# Altium PCB AD-FMComms3_revA.PcbDoc (part 5 of 6) (continued)
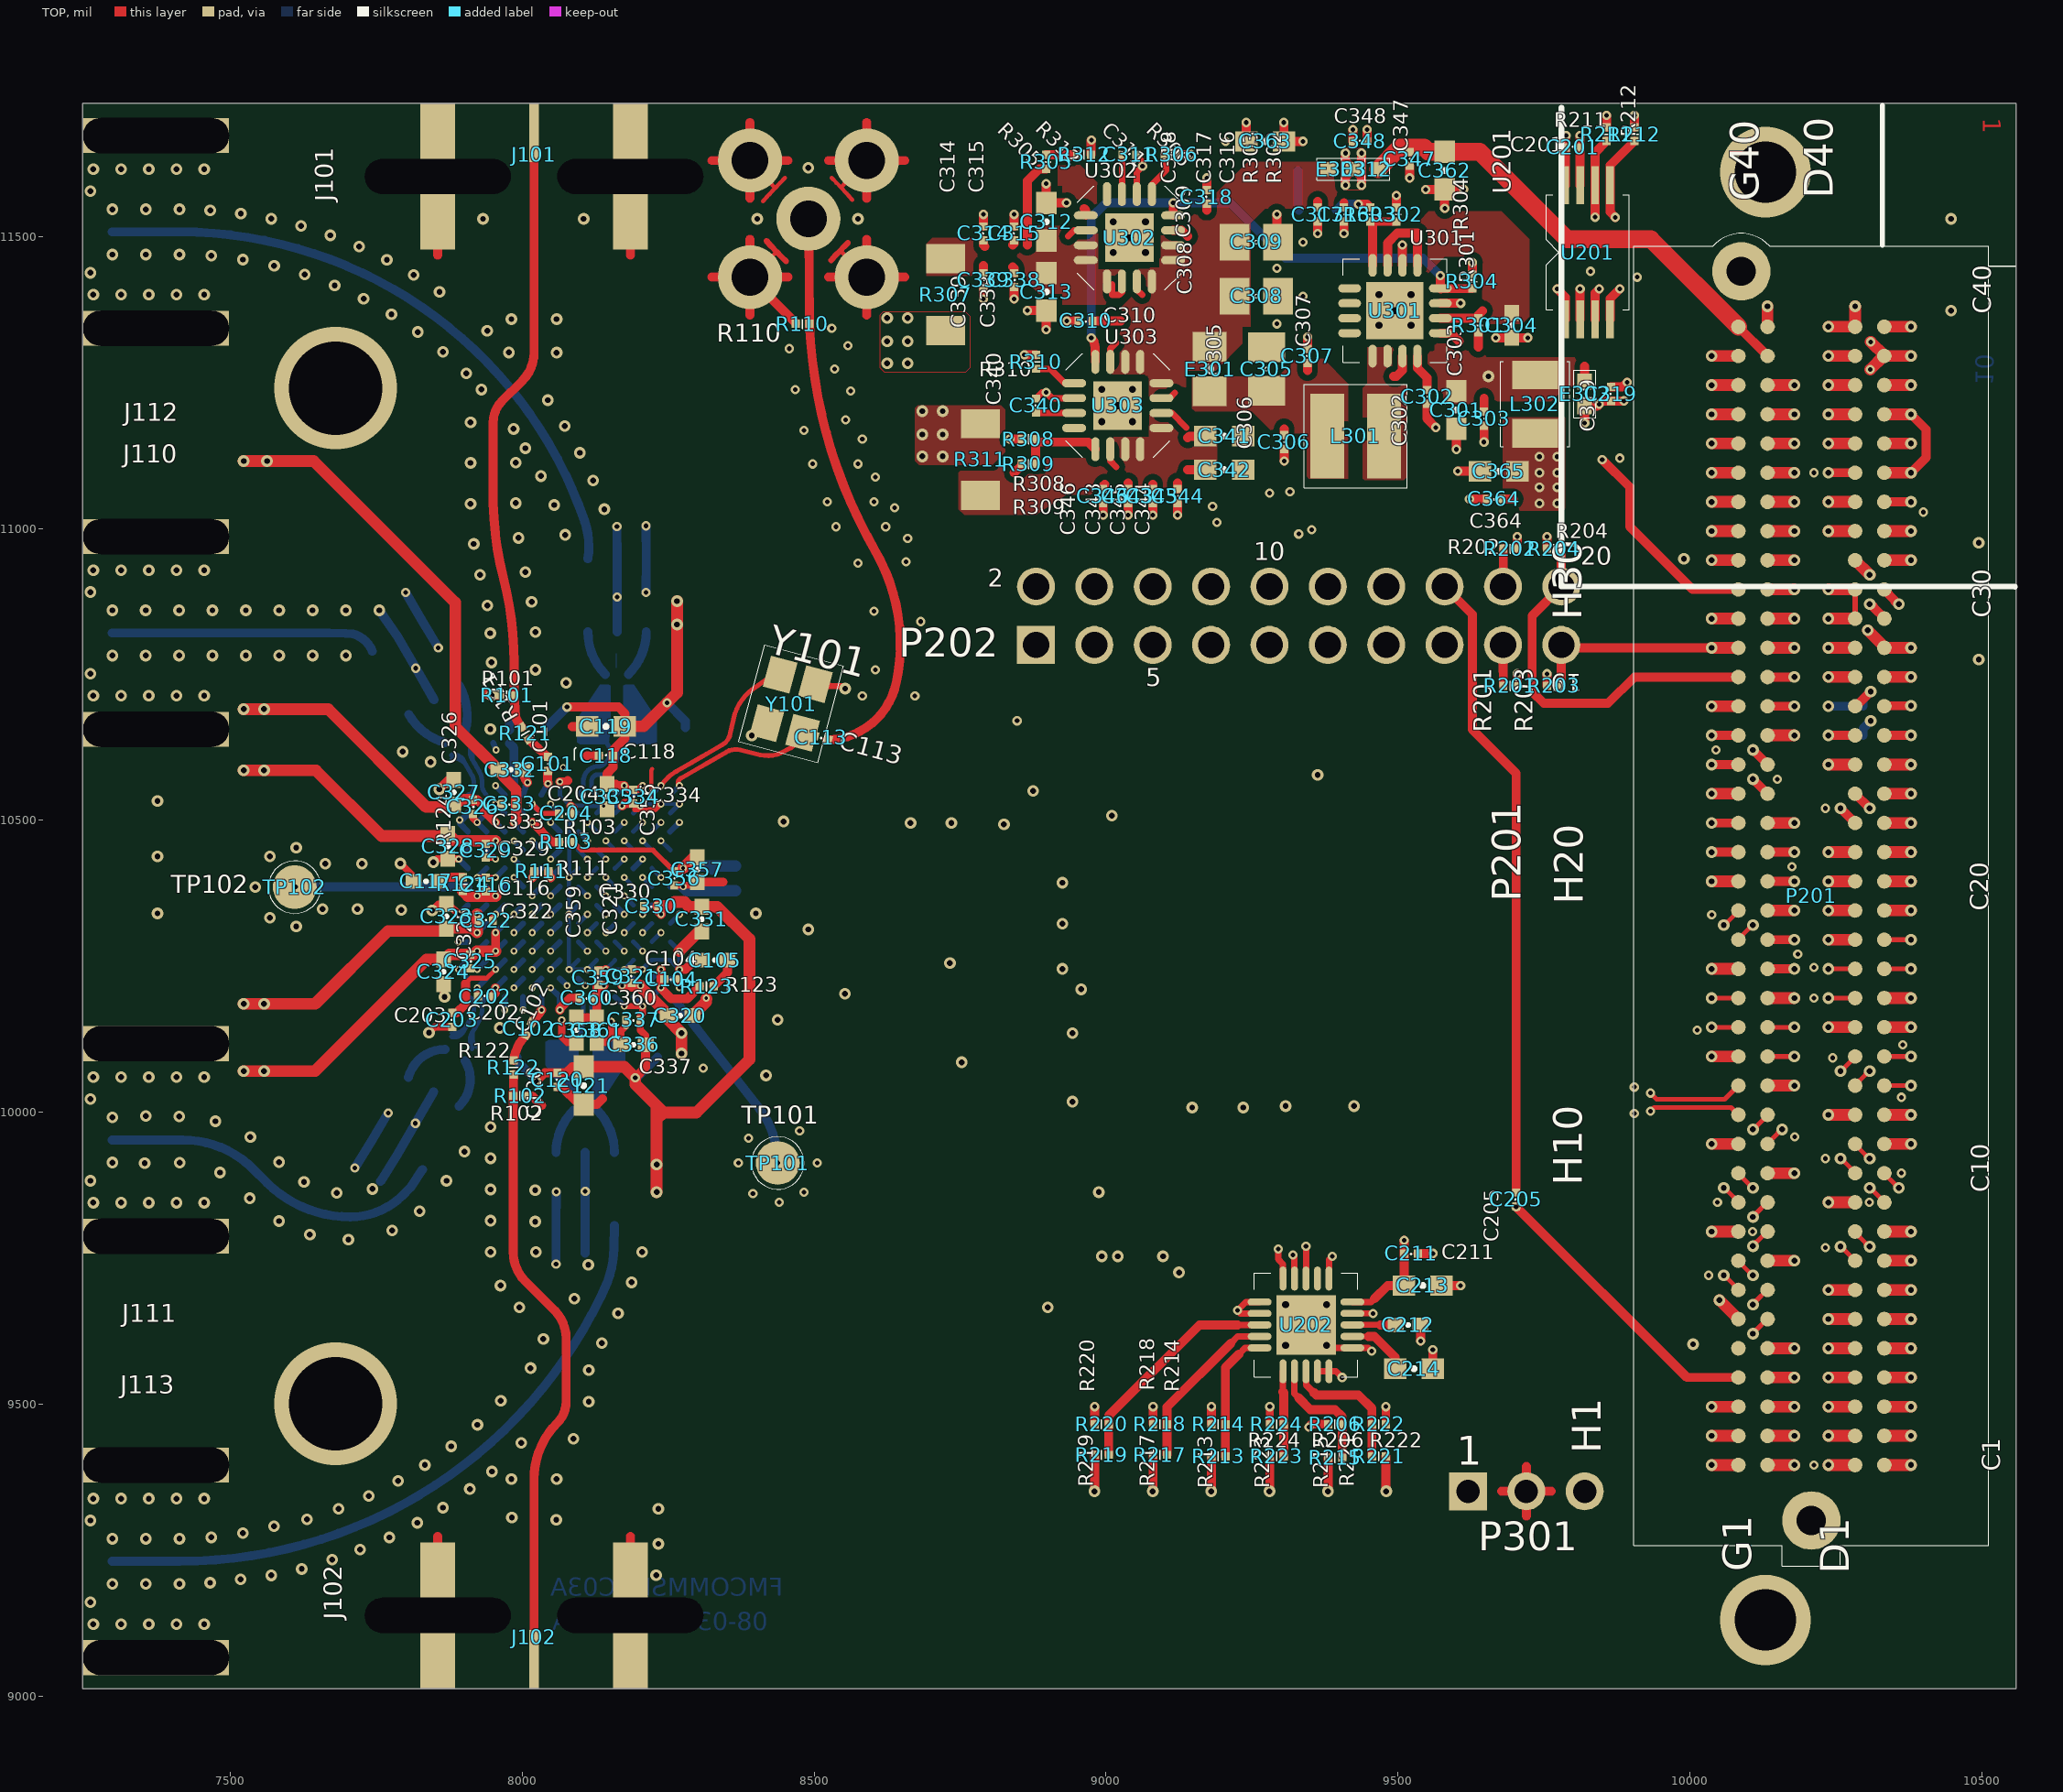
[diagram p0: TOP view]
## Other copper (continued)
  pour cut-out: 9120.87,10900.5 9119.48,10911.08 9115.39,10920.93 9108.9,10929.4 9100.43,10935.89 9090.58,10939.98 9080,10941.37 9069.42,10939.98 9059.57,10935.89 9051.1,10929.4 9044.61,10920.93 9040.52,10911.08 9039.13,10900.5 9040.52,10889.92 9044.61,10880.07 9051.1,10871.6 9059.57,10865.11 9069.42,10861.02 9080,10859.63 9090.58,10861.02 9100.43,10865.11 9108.9,10871.6 9115.39,10880.07 9119.48,10889.92 9120.87,10900.5
  pour cut-out: 9020.87,10800.5 9019.48,10811.08 9015.39,10820.93 9008.9,10829.4 9000.43,10835.89 8990.58,10839.98 8980,10841.37 8969.42,10839.98 8959.57,10835.89 8951.1,10829.4 8944.61,10820.93 8940.52,10811.08 8939.13,10800.5 8940.52,10789.92 8944.61,10780.07 8951.1,10771.6 8959.57,10765.11 8969.42,10761.02 8980,10759.63 8990.58,10761.02 9000.43,10765.11 9008.9,10771.6 9015.39,10780.07 9019.48,10789.92 9020.87,10800.5
  pour cut-out: 9120.87,10800.5 9119.48,10811.08 9115.39,10820.93 9108.9,10829.4 9100.43,10835.89 9090.58,10839.98 9080,10841.37 9069.42,10839.98 9059.57,10835.89 9051.1,10829.4 9044.61,10820.93 9040.52,10811.08 9039.13,10800.5 9040.52,10789.92 9044.61,10780.07 9051.1,10771.6 9059.57,10765.11 9069.42,10761.02 9080,10759.63 9090.58,10761.02 9100.43,10765.11 9108.9,10771.6 9115.39,10780.07 9119.48,10789.92 9120.87,10800.5
  pour cut-out: 8920.87,10900.5 8919.48,10911.08 8915.39,10920.93 8908.9,10929.4 8900.43,10935.89 8890.58,10939.98 8880,10941.37 8869.42,10939.98 8859.57,10935.89 8851.1,10929.4 8844.61,10920.93 8840.52,10911.08 8839.13,10900.5 8840.52,10889.92 8844.61,10880.07 8851.1,10871.6 8859.57,10865.11 8869.42,10861.02 8880,10859.63 8890.58,10861.02 8900.43,10865.11 8908.9,10871.6 8915.39,10880.07 8919.48,10889.92 8920.87,10900.5
  pour cut-out: 8920.87,10800.5 8919.48,10811.08 8915.39,10820.93 8908.9,10829.4 8900.43,10835.89 8890.58,10839.98 8880,10841.37 8869.42,10839.98 8859.57,10835.89 8851.1,10829.4 8844.61,10820.93 8840.52,10811.08 8839.13,10800.5 8840.52,10789.92 8844.61,10780.07 8851.1,10771.6 8859.57,10765.11 8869.42,10761.02 8880,10759.63 8890.58,10761.02 8900.43,10765.11 8908.9,10771.6 8915.39,10780.07 8919.48,10789.92 8920.87,10800.5
  pour cut-out: 9860.87,9350.5 9859.48,9361.08 9855.39,9370.93 9848.9,9379.4 9840.43,9385.89 9830.58,9389.98 9820,9391.37 9809.42,9389.98 9799.57,9385.89 9791.1,9379.4 9784.61,9370.93 9780.52,9361.08 9779.13,9350.5 9780.52,9339.92 9784.61,9330.07 9791.1,9321.6 9799.57,9315.11 9809.42,9311.02 9820,9309.63 9830.58,9311.02 9840.43,9315.11 9848.9,9321.6 9855.39,9330.07 9859.48,9339.92 9860.87,9350.5
  pour cut-out: 7333.63,9037.25 7273,9037.5 7271.95,9038.55 7271.95,9038.58 7270.02,9040.51 7270.02,9100.87 7270.07,9101.22 7270.15,9101.56 7270.26,9101.89 7270.4,9102.21 7270.56,9102.52 7270.75,9102.81 7270.97,9103.08 7271.21,9103.34 7271.47,9103.57 7271.75,9103.78 7272.05,9103.96 7272.36,9104.12 7272.68,9104.25 7273.02,9104.35 7273.36,9104.42 7273.7,9104.46 7274.05,9104.47 7274.4,9104.45 7274.75,9104.4 7275.09,9104.32 7275.42,9104.21 7275.74,9104.07 7276.05,9103.91 7276.34,9103.72 7276.61,9103.5 7276.83,9103.3 7336.06,9044.06 7336.3,9043.8 7336.51,9043.53 7336.7,9043.23 7336.86,9042.92 7336.99,9042.6 7337.1,9042.27 7337.17,9041.93 7337.22,9041.58 7337.23,9041.23 7337.22,9040.88 7337.17,9040.54 7337.1,9040.2 7336.99,9039.87 7336.86,9039.54 7336.7,9039.23 7336.51,9038.94 7336.3,9038.66 7336.07,9038.4 7335.81,9038.17 7335.53,9037.96 7335.24,9037.77 7334.93,9037.61 7334.61,9037.47 7334.27,9037.37 7333.93,9037.29 7333.63,9037.25
  pour cut-out: 10470.02,11228.36 10470.02,11655.86 10427.86,11698.02 10062.03,11698.02 10061.23,11700.35 10061.18,11700.52 10061.15,11700.69 10061.13,11700.86 10061.12,11701.04 10061.13,11701.21 10061.16,11701.38 10061.2,11701.55 10061.25,11701.72 10061.32,11701.88 10061.41,11702.03 10061.5,11702.18 10061.61,11702.31 10061.73,11702.44 10061.86,11702.55 10062,11702.66 10062.15,11702.75 10062.31,11702.83 10062.47,11702.89 10062.64,11702.94 10062.81,11702.98 10062.84,11702.98 10482.48,11702.98 10482.48,11225.13 10482.43,11224.78 10482.35,11224.44 10482.24,11224.11 10482.1,11223.79 10481.94,11223.48 10481.75,11223.19 10481.53,11222.92 10481.29,11222.66 10481.03,11222.43 10480.75,11222.22 10480.45,11222.04 10480.14,11221.88 10479.82,11221.75 10479.48,11221.65 10479.14,11221.58 10478.8,11221.54 10478.45,11221.53 10478.1,11221.55 10477.75,11221.6 10477.41,11221.68 10477.08,11221.79 10476.76,11221.93 10476.45,11222.09 10476.16,11222.28 10475.89,11222.5 10475.67,11222.7 10470.02,11228.36
  pour cut-out: 9918.84,11698.02 9918.84,11700.47 9919.03,11700.87 9919.41,11701.74 9919.9,11702.98 10060.33,11702.98 10061.25,11700.29 10060.12,11699.42 10058.35,11698.02 9918.84,11698.02
  pour cut-out: 9660.87,9350.5 9659.48,9361.08 9655.39,9370.93 9648.9,9379.4 9640.43,9385.89 9630.58,9389.98 9620,9391.37 9609.42,9389.98 9599.57,9385.89 9591.1,9379.4 9584.61,9370.93 9580.52,9361.08 9579.13,9350.5 9580.52,9339.92 9584.61,9330.07 9591.1,9321.6 9599.57,9315.11 9609.42,9311.02 9620,9309.63 9630.58,9311.02 9640.43,9315.11 9648.9,9321.6 9655.39,9330.07 9659.48,9339.92 9660.87,9350.5
  text "8" at 10502.03,11354.98 h31 r270
L9_GND:
  pour cut-out: 10146.57,11440.5 10145.45,11451.87 10142.13,11462.81 10136.75,11472.89 10129.49,11481.72 10120.66,11488.98 10110.58,11494.36 10099.64,11497.68 10088.27,11498.8 10076.9,11497.68 10065.96,11494.36 10059.24,11490.77 10055.88,11488.98 10047.05,11481.72 10039.79,11472.89 10034.41,11462.81 10031.09,11451.87 10029.97,11440.5 10031.09,11429.13 10034.41,11418.19 10039.79,11408.11 10047.05,11399.28 10055.88,11392.02 10059.24,11390.23 10065.96,11386.64 10076.9,11383.32 10088.27,11382.2 10099.64,11383.32 10110.58,11386.64 10120.66,11392.02 10129.49,11399.28 10136.75,11408.11 10142.13,11418.19 10145.45,11429.13 10146.57,11440.5
  pour cut-out: 10266.57,9300.5 10265.45,9311.87 10262.13,9322.81 10256.75,9332.89 10249.49,9341.72 10240.66,9348.98 10230.58,9354.36 10219.64,9357.68 10208.27,9358.8 10196.9,9357.68 10185.96,9354.36 10179.24,9350.77 10175.88,9348.98 10167.05,9341.72 10159.79,9332.89 10154.41,9322.81 10151.09,9311.87 10149.97,9300.5 10151.09,9289.13 10154.41,9278.19 10159.79,9268.11 10167.05,9259.28 10175.88,9252.02 10179.24,9250.23 10185.96,9246.64 10196.9,9243.32 10208.27,9242.2 10219.64,9243.32 10230.58,9246.64 10240.66,9252.02 10249.49,9259.28 10256.75,9268.11 10262.13,9278.19 10265.45,9289.13 10266.57,9300.5
  pour cut-out: 9860.87,9350.5 9859.48,9361.08 9855.39,9370.93 9848.9,9379.4 9840.43,9385.89 9830.58,9389.98 9820,9391.37 9809.42,9389.98 9799.57,9385.89 9791.1,9379.4 9784.61,9370.93 9780.52,9361.08 9779.13,9350.5 9780.52,9339.92 9784.61,9330.07 9791.1,9321.6 9799.57,9315.11 9809.42,9311.02 9820,9309.63 9830.58,9311.02 9840.43,9315.11 9848.9,9321.6 9855.39,9330.07 9859.48,9339.92 9860.87,9350.5
  pour cut-out: 9720.87,10900.5 9719.48,10911.08 9715.39,10920.93 9708.9,10929.4 9700.43,10935.89 9690.58,10939.98 9680,10941.37 9669.42,10939.98 9659.57,10935.89 9651.1,10929.4 9644.61,10920.93 9640.52,10911.08 9639.13,10900.5 9640.52,10889.92 9644.61,10880.07 9651.1,10871.6 9659.57,10865.11 9669.42,10861.02 9680,10859.63 9690.58,10861.02 9700.43,10865.11 9708.9,10871.6 9715.39,10880.07 9719.48,10889.92 9720.87,10900.5
  pour cut-out: 9820.87,10900.5 9819.48,10911.08 9815.39,10920.93 9808.9,10929.4 9800.43,10935.89 9790.58,10939.98 9780,10941.37 9769.42,10939.98 9759.57,10935.89 9751.1,10929.4 9744.61,10920.93 9740.52,10911.08 9739.13,10900.5 9740.52,10889.92 9744.61,10880.07 9751.1,10871.6 9759.57,10865.11 9769.42,10861.02 9780,10859.63 9790.58,10861.02 9800.43,10865.11 9808.9,10871.6 9815.39,10880.07 9819.48,10889.92 9820.87,10900.5
  pour cut-out: 9720.87,10800.5 9719.48,10811.08 9715.39,10820.93 9708.9,10829.4 9700.43,10835.89 9690.58,10839.98 9680,10841.37 9669.42,10839.98 9659.57,10835.89 9651.1,10829.4 9644.61,10820.93 9640.52,10811.08 9639.13,10800.5 9640.52,10789.92 9644.61,10780.07 9651.1,10771.6 9659.57,10765.11 9669.42,10761.02 9680,10759.63 9690.58,10761.02 9700.43,10765.11 9708.9,10771.6 9715.39,10780.07 9719.48,10789.92 9720.87,10800.5
  pour cut-out: 9820.87,10800.5 9819.48,10811.08 9815.39,10820.93 9808.9,10829.4 9800.43,10835.89 9790.58,10839.98 9780,10841.37 9769.42,10839.98 9759.57,10835.89 9751.1,10829.4 9744.61,10820.93 9740.52,10811.08 9739.13,10800.5 9740.52,10789.92 9744.61,10780.07 9751.1,10771.6 9759.57,10765.11 9769.42,10761.02 9780,10759.63 9790.58,10761.02 9800.43,10765.11 9808.9,10771.6 9815.39,10780.07 9819.48,10789.92 9820.87,10800.5
  pour cut-out: 9660.87,9350.5 9659.48,9361.08 9655.39,9370.93 9648.9,9379.4 9640.43,9385.89 9630.58,9389.98 9620,9391.37 9609.42,9389.98 9599.57,9385.89 9591.1,9379.4 9584.61,9370.93 9580.52,9361.08 9579.13,9350.5 9580.52,9339.92 9584.61,9330.07 9591.1,9321.6 9599.57,9315.11 9609.42,9311.02 9620,9309.63 9630.58,9311.02 9640.43,9315.11 9648.9,9321.6 9655.39,9330.07 9659.48,9339.92 9660.87,9350.5
  pour cut-out: 9760.87,9350.5 9759.48,9361.08 9755.39,9370.93 9748.9,9379.4 9740.43,9385.89 9730.58,9389.98 9720,9391.37 9709.42,9389.98 9699.57,9385.89 9691.1,9379.4 9684.61,9370.93 9680.52,9361.08 9679.13,9350.5 9680.52,9339.92 9684.61,9330.07 9691.1,9321.6 9699.57,9315.11 9709.42,9311.02 9720,9309.63 9730.58,9311.02 9740.43,9315.11 9748.9,9321.6 9755.39,9330.07 9759.48,9339.92 9760.87,9350.5
  pour cut-out: 9420.87,10900.5 9419.48,10911.08 9415.39,10920.93 9408.9,10929.4 9400.43,10935.89 9390.58,10939.98 9380,10941.37 9369.42,10939.98 9359.57,10935.89 9351.1,10929.4 9344.61,10920.93 9340.52,10911.08 9339.13,10900.5 9340.52,10889.92 9344.61,10880.07 9351.1,10871.6 9359.57,10865.11 9369.42,10861.02 9380,10859.63 9390.58,10861.02 9400.43,10865.11 9408.9,10871.6 9415.39,10880.07 9419.48,10889.92 9420.87,10900.5
  pour cut-out: 9520.87,10900.5 9519.48,10911.08 9515.39,10920.93 9508.9,10929.4 9500.43,10935.89 9490.58,10939.98 9480,10941.37 9469.42,10939.98 9459.57,10935.89 9451.1,10929.4 9444.61,10920.93 9440.52,10911.08 9439.13,10900.5 9440.52,10889.92 9444.61,10880.07 9451.1,10871.6 9459.57,10865.11 9469.42,10861.02 9480,10859.63 9490.58,10861.02 9500.43,10865.11 9508.9,10871.6 9515.39,10880.07 9519.48,10889.92 9520.87,10900.5
  pour cut-out: 9620.87,10900.5 9619.48,10911.08 9615.39,10920.93 9608.9,10929.4 9600.43,10935.89 9590.58,10939.98 9580,10941.37 9569.42,10939.98 9559.57,10935.89 9551.1,10929.4 9544.61,10920.93 9540.52,10911.08 9539.13,10900.5 9540.52,10889.92 9544.61,10880.07 9551.1,10871.6 9559.57,10865.11 9569.42,10861.02 9580,10859.63 9590.58,10861.02 9600.43,10865.11 9608.9,10871.6 9615.39,10880.07 9619.48,10889.92 9620.87,10900.5
  pour cut-out: 9420.87,10800.5 9419.48,10811.08 9415.39,10820.93 9408.9,10829.4 9400.43,10835.89 9390.58,10839.98 9380,10841.37 9369.42,10839.98 9359.57,10835.89 9351.1,10829.4 9344.61,10820.93 9340.52,10811.08 9339.13,10800.5 9340.52,10789.92 9344.61,10780.07 9351.1,10771.6 9359.57,10765.11 9369.42,10761.02 9380,10759.63 9390.58,10761.02 9400.43,10765.11 9408.9,10771.6 9415.39,10780.07 9419.48,10789.92 9420.87,10800.5
  pour cut-out: 9520.87,10800.5 9519.48,10811.08 9515.39,10820.93 9508.9,10829.4 9500.43,10835.89 9490.58,10839.98 9480,10841.37 9469.42,10839.98 9459.57,10835.89 9451.1,10829.4 9444.61,10820.93 9440.52,10811.08 9439.13,10800.5 9440.52,10789.92 9444.61,10780.07 9451.1,10771.6 9459.57,10765.11 9469.42,10761.02 9480,10759.63 9490.58,10761.02 9500.43,10765.11 9508.9,10771.6 9515.39,10780.07 9519.48,10789.92 9520.87,10800.5
  pour cut-out: 9620.87,10800.5 9619.48,10811.08 9615.39,10820.93 9608.9,10829.4 9600.43,10835.89 9590.58,10839.98 9580,10841.37 9569.42,10839.98 9559.57,10835.89 9551.1,10829.4 9544.61,10820.93 9540.52,10811.08 9539.13,10800.5 9540.52,10789.92 9544.61,10780.07 9551.1,10771.6 9559.57,10765.11 9569.42,10761.02 9580,10759.63 9590.58,10761.02 9600.43,10765.11 9608.9,10771.6 9615.39,10780.07 9619.48,10789.92 9620.87,10800.5
  pour cut-out: 9220.87,10900.5 9219.48,10911.08 9215.39,10920.93 9208.9,10929.4 9200.43,10935.89 9190.58,10939.98 9180,10941.37 9169.42,10939.98 9159.57,10935.89 9151.1,10929.4 9144.61,10920.93 9140.52,10911.08 9139.13,10900.5 9140.52,10889.92 9144.61,10880.07 9151.1,10871.6 9159.57,10865.11 9169.42,10861.02 9180,10859.63 9190.58,10861.02 9200.43,10865.11 9208.9,10871.6 9215.39,10880.07 9219.48,10889.92 9220.87,10900.5
  pour cut-out: 9320.87,10900.5 9319.48,10911.08 9315.39,10920.93 9308.9,10929.4 9300.43,10935.89 9290.58,10939.98 9280,10941.37 9269.42,10939.98 9259.57,10935.89 9251.1,10929.4 9244.61,10920.93 9240.52,10911.08 9239.13,10900.5 9240.52,10889.92 9244.61,10880.07 9251.1,10871.6 9259.57,10865.11 9269.42,10861.02 9280,10859.63 9290.58,10861.02 9300.43,10865.11 9308.9,10871.6 9315.39,10880.07 9319.48,10889.92 9320.87,10900.5
  pour cut-out: 9220.87,10800.5 9219.48,10811.08 9215.39,10820.93 9208.9,10829.4 9200.43,10835.89 9190.58,10839.98 9180,10841.37 9169.42,10839.98 9159.57,10835.89 9151.1,10829.4 9144.61,10820.93 9140.52,10811.08 9139.13,10800.5 9140.52,10789.92 9144.61,10780.07 9151.1,10771.6 9159.57,10765.11 9169.42,10761.02 9180,10759.63 9190.58,10761.02 9200.43,10765.11 9208.9,10771.6 9215.39,10780.07 9219.48,10789.92 9220.87,10800.5
  pour cut-out: 9320.87,10800.5 9319.48,10811.08 9315.39,10820.93 9308.9,10829.4 9300.43,10835.89 9290.58,10839.98 9280,10841.37 9269.42,10839.98 9259.57,10835.89 9251.1,10829.4 9244.61,10820.93 9240.52,10811.08 9239.13,10800.5 9240.52,10789.92 9244.61,10780.07 9251.1,10771.6 9259.57,10765.11 9269.42,10761.02 9280,10759.63 9290.58,10761.02 9300.43,10765.11 9308.9,10771.6 9315.39,10780.07 9319.48,10789.92 9320.87,10800.5
  pour cut-out: 9020.87,10900.5 9019.48,10911.08 9015.39,10920.93 9008.9,10929.4 9000.43,10935.89 8990.58,10939.98 8980,10941.37 8969.42,10939.98 8959.57,10935.89 8951.1,10929.4 8944.61,10920.93 8940.52,10911.08 8939.13,10900.5 8940.52,10889.92 8944.61,10880.07 8951.1,10871.6 8959.57,10865.11 8969.42,10861.02 8980,10859.63 8990.58,10861.02 9000.43,10865.11 9008.9,10871.6 9015.39,10880.07 9019.48,10889.92 9020.87,10900.5
  pour cut-out: 9120.87,10900.5 9119.48,10911.08 9115.39,10920.93 9108.9,10929.4 9100.43,10935.89 9090.58,10939.98 9080,10941.37 9069.42,10939.98 9059.57,10935.89 9051.1,10929.4 9044.61,10920.93 9040.52,10911.08 9039.13,10900.5 9040.52,10889.92 9044.61,10880.07 9051.1,10871.6 9059.57,10865.11 9069.42,10861.02 9080,10859.63 9090.58,10861.02 9100.43,10865.11 9108.9,10871.6 9115.39,10880.07 9119.48,10889.92 9120.87,10900.5
  pour cut-out: 9020.87,10800.5 9019.48,10811.08 9015.39,10820.93 9008.9,10829.4 9000.43,10835.89 8990.58,10839.98 8980,10841.37 8969.42,10839.98 8959.57,10835.89 8951.1,10829.4 8944.61,10820.93 8940.52,10811.08 8939.13,10800.5 8940.52,10789.92 8944.61,10780.07 8951.1,10771.6 8959.57,10765.11 8969.42,10761.02 8980,10759.63 8990.58,10761.02 9000.43,10765.11 9008.9,10771.6 9015.39,10780.07 9019.48,10789.92 9020.87,10800.5
  pour cut-out: 9120.87,10800.5 9119.48,10811.08 9115.39,10820.93 9108.9,10829.4 9100.43,10835.89 9090.58,10839.98 9080,10841.37 9069.42,10839.98 9059.57,10835.89 9051.1,10829.4 9044.61,10820.93 9040.52,10811.08 9039.13,10800.5 9040.52,10789.92 9044.61,10780.07 9051.1,10771.6 9059.57,10765.11 9069.42,10761.02 9080,10759.63 9090.58,10761.02 9100.43,10765.11 9108.9,10771.6 9115.39,10780.07 9119.48,10789.92 9120.87,10800.5
  pour cut-out: 8920.87,10900.5 8919.48,10911.08 8915.39,10920.93 8908.9,10929.4 8900.43,10935.89 8890.58,10939.98 8880,10941.37 8869.42,10939.98 8859.57,10935.89 8851.1,10929.4 8844.61,10920.93 8840.52,10911.08 8839.13,10900.5 8840.52,10889.92 8844.61,10880.07 8851.1,10871.6 8859.57,10865.11 8869.42,10861.02 8880,10859.63 8890.58,10861.02 8900.43,10865.11 8908.9,10871.6 8915.39,10880.07 8919.48,10889.92 8920.87,10900.5
  pour cut-out: 8920.87,10800.5 8919.48,10811.08 8915.39,10820.93 8908.9,10829.4 8900.43,10835.89 8890.58,10839.98 8880,10841.37 8869.42,10839.98 8859.57,10835.89 8851.1,10829.4 8844.61,10820.93 8840.52,10811.08 8839.13,10800.5 8840.52,10789.92 8844.61,10780.07 8851.1,10771.6 8859.57,10765.11 8869.42,10761.02 8880,10759.63 8890.58,10761.02 8900.43,10765.11 8908.9,10771.6 8915.39,10780.07 8919.48,10789.92 8920.87,10800.5
  text "9" at 10502.03,11304.98 h31 r270
BOTTOM:
  drawing of 26 lines, arcs and shapes, not listed
  text "10" at 10489.63,11244.98 h31 r270
  text "FMCOMMSFMC03A" at 8446.7,9171.6 h31
  text "08-037515 REV A" at 8420.6,9112.9 h31

## Silkscreen, mask and mechanical layers (free items; w line width, h text height)
Top Overlay:
  lines w2: 8089,10603 8089,10622 8092,10625 ; 10513,11449 10558,11449
  lines w8: 10330,11485 10330,11725
  lines w10: 9780,11721 9780,10900.5 10556.5,10900.5 10557,10900
DESIGN_OUTLINE:
  drawing of 855 lines, arcs and shapes, not listed
  text "4" at 4507.5,16500.5 h250
  text "4" at 4507.5,16500.5 h250
  text "3" at 10007.5,16500.5 h250
  text "3" at 10007.5,16500.5 h250
  text "2" at 15507.5,16500.5 h250
  text "2" at 15507.5,16500.5 h250
  text "1" at 21007.5,16500.5 h250
  text "1" at 21007.5,16500.5 h250
  text "REVISIONS" at 17897.5,16225.5 h100
  text "REVISIONS" at 17897.5,16225.5 h100
  text "REV" at 15287.5,15975.5 h100
  text "REV" at 15287.5,15975.5 h100
  text "DESCRIPTION" at 17817.5,15975.5 h100
  text "DESCRIPTION" at 17817.5,15975.5 h100
  text "DATE" at 21197.5,15975.5 h100
  text "DATE" at 21197.5,15975.5 h100
  text "APPROVED" at 22287.5,15975.5 h100
  text "APPROVED" at 22287.5,15975.5 h100
  text "A" at 15367.5,15725.5 h100
  text "A" at 15367.5,15725.5 h100
  text "INITIAL RELEASE/WIDEBAND BALUN" at 17057.5,15725.5 h100
  text "INITIAL RELEASE/WIDEBAND BALUN" at 17057.5,15725.5 h100
  text "OCT-2013" at 21037.5,15725.5 h100
  text "OCT-2013" at 21037.5,15725.5 h100
  text "W. TAYLOR" at 22247.5,15725.5 h100
  text "W. TAYLOR" at 22247.5,15725.5 h100
  text "D" at 2057.5,14650.5 h250
  text "D" at 2057.5,14650.5 h250
  text "D" at 23457.5,14650.5 h250
  text "D" at 23457.5,14650.5 h250
  text "C" at 2057.5,10400.5 h250
  text "C" at 2057.5,10400.5 h250
  text "C" at 23457.5,10400.5 h250
  text "C" at 23457.5,10400.5 h250
  text "B" at 2057.5,6150.5 h250
  text "B" at 2057.5,6150.5 h250
  text "B" at 23457.5,6150.5 h250
  text "B" at 23457.5,6150.5 h250
  text "PRIMARY SIDE" at 15132.5,3475.5 h200
  text "PRIMARY SIDE" at 15132.5,3475.5 h200
  text "UNLESS OTHERWISE SPECIFIED" at 15207.5,3225.5 h63
  text "UNLESS OTHERWISE SPECIFIED" at 15207.5,3225.5 h63
  text "APPROVAL" at 17282.5,3225.5 h80
  text "APPROVAL" at 17282.5,3225.5 h80
  text "DATE" at 18407.5,3225.5 h80
  text "DATE" at 18407.5,3225.5 h80
  text "WWM" at 22237.5,3200.5 h100
  text "WWM" at 22237.5,3200.5 h100
  text "DIMENSIONS ARE IN INCHES" at 15282.5,3100.5 h63
  text "DIMENSIONS ARE IN INCHES" at 15282.5,3100.5 h63
  text "TEMPLATE ENGINEER" at 16957.5,3060.5 h50
  text "TEMPLATE ENGINEER" at 16957.5,3060.5 h50
  text "DIVISION" at 22037.5,3050.5 h100
  text "DIVISION" at 22037.5,3050.5 h100
  text "TOLERANCES" at 15757.5,2950.5 h50
  text "TOLERANCES" at 15757.5,2950.5 h50
  text "G CELEDONIO" at 16957.5,2940.5 h80
  text "G CELEDONIO" at 16957.5,2940.5 h80
  text "804 WOBURN STREET" at 21813.5,2900.5 h80
  text "804 WOBURN STREET" at 21813.5,2900.5 h80
  text "HARDWARE SERVICES" at 16957.5,2810.5 h50
  text "HARDWARE SERVICES" at 16957.5,2810.5 h50
  text "DECIMALS" at 15257.5,2800.5 h50
  text "DECIMALS" at 15257.5,2800.5 h50
  text "FRACTIONS" at 15857.5,2800.5 h50
  text "FRACTIONS" at 15857.5,2800.5 h50
  text "ANGLES" at 16482.5,2800.5 h50
  text "ANGLES" at 16482.5,2800.5 h50
  text "WILMINGTON, MA 01887" at 21717.5,2750.5 h80
  text "WILMINGTON, MA 01887" at 21717.5,2750.5 h80
  text "R MACDONALD" at 16957.5,2690.5 h80
  text "R MACDONALD" at 16957.5,2690.5 h80
  text ".XX +-.010" at 15257.5,2675.5 h50
  text ".XX +-.010" at 15257.5,2675.5 h50
  text "+-1/32" at 15957.5,2675.5 h50
  text "+-1/32" at 15957.5,2675.5 h50
  text "+-" at 16482.5,2675.5 h50
  text "+-" at 16482.5,2675.5 h50
  text "2" at 16632.5,2675.5 h50
  text "2" at 16632.5,2675.5 h50
  text ".XXX +-.005" at 15257.5,2575.5 h50
  text ".XXX +-.005" at 15257.5,2575.5 h50
  text "HARDWARE SYSTEMS" at 16957.5,2560.5 h50
  text "HARDWARE SYSTEMS" at 16957.5,2560.5 h50
  text ".XXXX +-.0050" at 15257.5,2475.5 h50
  text ".XXXX +-.0050" at 15257.5,2475.5 h50
  text "J KEANE" at 16957.5,2440.5 h80
  text "J KEANE" at 16957.5,2440.5 h80
  text "TITLE" at 18957.5,2440.5 h80
  text "TITLE" at 18957.5,2440.5 h80
  text "TEST ENGINEER" at 16957.5,2310.5 h50
  text "TEST ENGINEER" at 16957.5,2310.5 h50
  text "MATERIAL" at 15232.5,2250.5 h80
  text "MATERIAL" at 15232.5,2250.5 h80
  text "N/A" at 16957.5,2190.5 h80
  text "N/A" at 16957.5,2190.5 h80
  text "COMPONENT ENGINEER" at 16957.5,2060.5 h50
  text "COMPONENT ENGINEER" at 16957.5,2060.5 h50
  text "G CELEDONIO" at 16957.5,1940.5 h80
  text "G CELEDONIO" at 16957.5,1940.5 h80
  text "A" at 2057.5,1900.5 h250
  text "A" at 2057.5,1900.5 h250
  text "A" at 23457.5,1900.5 h250
  text "A" at 23457.5,1900.5 h250
  text "TEST PROCESS" at 16957.5,1810.5 h50
  text "TEST PROCESS" at 16957.5,1810.5 h50
  text "FMCOMMSX FMC BOARD" at 19753.9,1700.5 h188
  text "FMCOMMSX FMC BOARD" at 19753.9,1700.5 h188
  text "N/A" at 16957.5,1690.5 h80
  text "N/A" at 16957.5,1690.5 h80
  text "HARDWARE RELEASE" at 16957.5,1560.5 h50
  text "HARDWARE RELEASE" at 16957.5,1560.5 h50
  text "N/A" at 16957.5,1440.5 h80
  text "N/A" at 16957.5,1440.5 h80
  text "DESIGNER" at 16957.5,1310.5 h50
  text "DESIGNER" at 16957.5,1310.5 h50
  text "FINISH" at 15232.5,1250.5 h80
  text "FINISH" at 15232.5,1250.5 h80
  text "SIZE" at 18957.5,1200.5 h80
  text "SIZE" at 18957.5,1200.5 h80
  text "FSCM NO" at 19507.5,1200.5 h80
  text "FSCM NO" at 19507.5,1200.5 h80
  text "DRAWING NUMBER" at 20407.5,1200.5 h80
  text "DRAWING NUMBER" at 20407.5,1200.5 h80
  text "REV" at 22982.5,1200.5 h80
  text "REV" at 22982.5,1200.5 h80
  text "R PAMPOLINO" at 16957.5,1190.5 h80
  text "R PAMPOLINO" at 16957.5,1190.5 h80
  text "10SEP13" at 18247.5,1190.5 h80
  text "10SEP13" at 18247.5,1190.5 h80
  text "PTD ENGINEER" at 16957.5,1060.5 h50
  text "PTD ENGINEER" at 16957.5,1060.5 h50
  text "W TAYLOR" at 16957.5,940.5 h80
  text "W TAYLOR" at 16957.5,940.5 h80
  text "10SEP13" at 18247.5,940.5 h80
  text "10SEP13" at 18247.5,940.5 h80
  text "CHECKER" at 16957.5,810.5 h50
  text "CHECKER" at 16957.5,810.5 h50
  text "C" at 19032.5,800.5 h200
  text "C" at 19032.5,800.5 h200
  text "24355" at 19382.5,800.5 h200
  text "24355" at 19382.5,800.5 h200
  text "-037515" at 20972.5,800.5 h200
  text "-037515" at 20972.5,800.5 h200
  text "N/A" at 16957.5,690.5 h80
  text "N/A" at 16957.5,690.5 h80
  text "CUSTOMER EVALUATION BOARD" at 6757.5,538 h200
  text "CUSTOMER EVALUATION BOARD" at 6757.5,538 h200
  text "DO NOT SCALE DWG" at 15332.5,475.5 h80
  text "DO NOT SCALE DWG" at 15332.5,475.5 h80
  text "SCALE" at 18957.5,475.5 h80
  text "SCALE" at 18957.5,475.5 h80
  text "1/1" at 19707.5,475.5 h100
  text "1/1" at 19707.5,475.5 h100
  text "SHEET" at 21907.5,475.5 h80
  text "SHEET" at 21907.5,475.5 h80
  text "OF" at 22657.5,475.5 h80
  text "OF" at 22657.5,475.5 h80
  text "4" at 4507.5,50.5 h250
  text "4" at 4507.5,50.5 h250
  text "3" at 10007.5,50.5 h250
  text "3" at 10007.5,50.5 h250
  text "2" at 15507.5,50.5 h250
  text "2" at 15507.5,50.5 h250
  text "1" at 21007.5,50.5 h250
  text "1" at 21007.5,50.5 h250
NCLEGEND-1-10:
  circle w1: c3191.43,1949.98 r50
  circle w1: c3191.43,2230.98 r50
  lines w1: 2741.93,1809.48 8476.93,1809.48 ; 2741.93,2090.48 8476.93,2090.48 ; 2741.93,2371.48 8476.93,2371.48 ; 2741.93,2652.48 8476.93,2652.48 ; 2741.93,2933.48 8476.93,2933.48 ; 2741.93,3214.48 8476.93,3214.48 ; 2741.93,3495.48 8476.93,3495.48 ; 2741.93,3776.48 8476.93,3776.48 ; 2741.93,4057.48 8476.93,4057.48 ; 2741.93,4338.48 8476.93,4338.48 ; 2741.93,4619.48 8476.93,4619.48 ; 2741.93,4900.48 8476.93,4900.48 ; 2741.93,5181.48 8476.93,5181.48 ; 2741.93,5462.48 8476.93,5462.48 ; 3166.43,3916.98 3216.43,3916.98 ; 3166.43,4197.98 3216.43,4197.98 ; 3191.43,3891.98 3191.43,3941.98 ; 3191.43,4172.98 3191.43,4222.98 ; 3640.93,1528.48 3640.93,5181.48 ; 4415.93,1528.48 4415.93,5181.48 ; 5686.93,1528.48 5686.93,5181.48 ; 6461.93,1528.48 6461.93,5181.48 ; 2741.93,1528.48 2741.93,5712.48 8476.93,5712.48 8476.93,1528.48 2741.93,1528.48 ; 3141.43,1618.98 3241.43,1618.98 3241.43,1718.98 3141.43,1718.98 3141.43,1618.98 ; 3148.93,2479.48 3191.43,2544.48 3233.93,2479.48 3148.93,2479.48 ; 3158.93,3073.98 3191.43,3106.48 3223.93,3073.98 3191.43,3041.48 3158.93,3073.98 ; 3168.93,2792.98 3180.18,2770.48 3202.68,2770.48 3213.93,2792.98 3202.68,2815.48 3180.18,2815.48 3168.93,2792.98 ; 3171.43,3354.98 3191.43,3374.98 3211.43,3354.98 3191.43,3334.98 3171.43,3354.98 ; 3176.43,3620.98 3191.43,3650.98 3206.43,3620.98 3176.43,3620.98 ; 3178.93,4466.48 3203.93,4466.48 3203.93,4491.48 3178.93,4491.48 3178.93,4466.48 ; 3178.93,4747.48 3203.93,4747.48 3203.93,4772.48 3178.93,4772.48 3178.93,4747.48
  text "FINISHED HOLES IN MILS" at 4509.43,5524.98 h125
  text "ALL UNITS ARE IN MILS" at 4559.43,5274.98 h125
  text "FIGURE" at 2891.43,4993.98 h125
  text "SIZE" at 3828.43,4993.98 h125
  text "PLATED" at 4751.43,4993.98 h125
  text "QTY" at 5924.43,4993.98 h125
  text "TOLERANCE/NOTES" at 6719.43,4993.98 h125
  text "6.0" at 3878.43,4697.48 h125
  text "PLATED" at 4751.43,4697.48 h125
  text "135" at 5924.43,4697.48 h125
  text "8.0" at 3878.43,4416.48 h125
  text "PLATED" at 4751.43,4416.48 h125
  text "198" at 5924.43,4416.48 h125
  text "10.0" at 3828.43,4135.48 h125
  text "PLATED" at 4751.43,4135.48 h125
  text "458" at 5924.43,4135.48 h125
  text "12.0" at 3828.43,3854.48 h125
  text "PLATED" at 4751.43,3854.48 h125
  text "19" at 5974.43,3854.48 h125
  text "20.0" at 3828.43,3573.48 h125
  text "PLATED" at 4751.43,3573.48 h125
  text "108" at 5924.43,3573.48 h125
  text "40.0" at 3828.43,3292.48 h125
  text "PLATED" at 4751.43,3292.48 h125
  text "3" at 6024.43,3292.48 h125
  text "45.0" at 3828.43,3011.48 h125
  text "PLATED" at 4751.43,3011.48 h125
  text "1" at 6024.43,3011.48 h125
  text "45.0" at 3828.43,2730.48 h125
  text "PLATED" at 4751.43,2730.48 h125
  text "19" at 5974.43,2730.48 h125
  text "63.0" at 3828.43,2449.48 h125
  text "PLATED" at 4751.43,2449.48 h125
  text "5" at 6024.43,2449.48 h125
  text "50.0" at 3828.43,2168.48 h125
  text "NON-PLATED" at 4551.43,2168.48 h125
  text "2" at 6024.43,2168.48 h125
  text "105.0" at 3778.43,1887.48 h125
  text "NON-PLATED" at 4551.43,1887.48 h125
  text "2" at 6024.43,1887.48 h125
  text "160.0" at 3778.43,1606.48 h125
  text "NON-PLATED" at 4551.43,1606.48 h125
  text "2" at 6024.43,1606.48 h125
REVISION_BLOCK:
  lines w1: 16346.93,15367.48 23346.93,15367.48 ; 16346.93,15369.98 16346.93,16119.98 ; 16351.93,15629.98 23351.93,15629.98 ; 16846.93,15369.98 16846.93,15869.98 ; 21346.93,15369.98 21346.93,15869.98 ; 22346.93,15369.98 22346.93,15869.98
REVISION_DATA:
  text "11MAR13" at 21497.5,15733 h100
  text "J.D.B." at 22577.5,15733 h100
  text "05AUG13" at 21497.5,15423 h100
  text "J.D.B." at 22577.5,15423 h100
  text "B" at 16546.93,15419.98 h100
  text "MODIFIED POWER SECTION" at 18196.93,15419.98 h100
TITLE_DATA:
  text "R. REEDER" at 17616.93,1727.48 h63
  text "11MAR13" at 18391.93,1727.48 h63
DRAWING_ORIGIN:
  lines w1: 8055,10370.5 8105,10370.5 ; 8080,10345.5 8080,10395.5

## Text inside footprints (layer, text, board x,y; h text height)
C357: PIN_NUMBER "2" at 8290,10394.25 h25 r270; PIN_NUMBER "1" at 8290,10436.75 h25 r270; PAD_STACK_NAME "C0402" at 8295,10420.5 h50 r270; PAD_STACK_NAME "27.5x25x15" at 8046,10415.5 h31 r270; ASSEMBLY_TOP "1uF" at 8255.83,10411.17 h25 r270; ASSEMBLY_TOP "10" at 8226.06,10410.78 h25 r270; ASSEMBLY_TOP "UPN" at 8201.5,10414.71 h25 r270
C358: PIN_NUMBER "2" at 8082.5,10119.25 h25 r270; PIN_NUMBER "1" at 8082.5,10161.75 h25 r270; PAD_STACK_NAME "C0402" at 8087.5,10145.5 h50 r270; PAD_STACK_NAME "27.5x25x15" at 7838.5,10140.5 h31 r270; ASSEMBLY_TOP "1uF" at 8048.33,10136.17 h25 r270; ASSEMBLY_TOP "10" at 8018.56,10135.78 h25 r270; ASSEMBLY_TOP "UPN" at 7994,10139.71 h25 r270
C359: PIN_NUMBER "2" at 8120,10242.5 h25 r90; PIN_NUMBER "1" at 8120,10218.5 h25 r90; PAD_STACK_NAME "14X14" at 8154,10238.1 h50 r90; PAD_STACK_NAME "C0201" at 7933,10241.5 h50 r90; DISPLAY_TOP "QA/XXX" at 8055.6,10375.5 h31 r180; DISPLAY_TOP "14JAN09" at 8043.2,10115.5 h31 r180; DISPLAY_TOP "10XXX09" at 8043.2,10415.5 h31 r180; DISPLAY_TOP "ADI/DML" at 8043.2,10070.5 h31 r180; ASSEMBLY_TOP "UPN" at 8100,10295.5 h25 r180; ASSEMBLY_TOP "10" at 8110,10265.5 h25 r180; ASSEMBLY_TOP "0.01UF" at 8070,10220.3 h25 r180
C360: PIN_NUMBER "2" at 8088,10195.5 h25 r180; PIN_NUMBER "1" at 8112,10195.5 h25 r180; PAD_STACK_NAME "14X14" at 8002.4,10319.5 h50 r180; PAD_STACK_NAME "C0201" at 7999,10098.5 h50 r180; DISPLAY_TOP "QA/XXX" at 7890.6,10195.5 h31 r270; DISPLAY_TOP "14JAN09" at 8138.2,10195.5 h31 r270; DISPLAY_TOP "10XXX09" at 7838.2,10195.5 h31 r270; DISPLAY_TOP "ADI/DML" at 8183.2,10195.5 h31 r270; ASSEMBLY_TOP "UPN" at 8015,10195.5 h25 r270; ASSEMBLY_TOP "10" at 8055,10195.5 h25 r270; ASSEMBLY_TOP "0.01UF" at 8060.2,10195.5 h25 r270
C361: PIN_NUMBER "2" at 8117.5,10119.25 h25 r270; PIN_NUMBER "1" at 8117.5,10161.75 h25 r270; PAD_STACK_NAME "C0402" at 8122.5,10145.5 h50 r270; PAD_STACK_NAME "27.5x25x15" at 7873.5,10140.5 h31 r270; ASSEMBLY_TOP "1uF" at 8083.33,10136.17 h25 r270; ASSEMBLY_TOP "10" at 8053.56,10135.78 h25 r270; ASSEMBLY_TOP "UPN" at 8029,10139.71 h25 r270
C362: PIN_NUMBER "2" at 9570,11580.75 h25 r270; PIN_NUMBER "1" at 9570,11645.25 h25 r270; PAD_STACK_NAME "C0603a" at 9555,11618 h50 r270; PAD_STACK_NAME "38.5x35x26" at 9350,11613 h25 r270; ASSEMBLY_TOP "10UF" at 9529,11611 h25 r270; ASSEMBLY_TOP "20" at 9560,11683 h25; ASSEMBLY_TOP "UPN" at 9549,11489 h25
C363: PIN_NUMBER "2" at 9230.25,11663 h25 r180; PIN_NUMBER "1" at 9294.75,11663 h25 r180; PAD_STACK_NAME "C0603a" at 9157.5,11568 h50 r180; PAD_STACK_NAME "38.5x35x26" at 9172.5,11793 h25 r180; ASSEMBLY_TOP "10UF" at 9230.5,11674 h25 r180; ASSEMBLY_TOP "20" at 9322.5,11663 h25 r270; ASSEMBLY_TOP "UPN" at 9118.5,11664 h25 r270
C364: PIN_NUMBER "2" at 9643,11050.5 h25 r180; PIN_NUMBER "1" at 9667,11050.5 h25 r180; PAD_STACK_NAME "14X14" at 9557.4,11174.5 h50 r180; PAD_STACK_NAME "C0201" at 9554,10953.5 h50 r180; DISPLAY_TOP "QA/XXX" at 9445.6,11050.5 h31 r270; DISPLAY_TOP "14JAN09" at 9693.2,11050.5 h31 r270; DISPLAY_TOP "10XXX09" at 9393.2,11050.5 h31 r270; DISPLAY_TOP "ADI/DML" at 9738.2,11050.5 h31 r270; ASSEMBLY_TOP "UPN" at 9570,11050.5 h25 r270; ASSEMBLY_TOP "10" at 9610,11050.5 h25 r270; ASSEMBLY_TOP "0.1uF" at 9625.2,11050.5 h25 r270
C365: PIN_NUMBER "2" at 9630.25,11098 h25 r180; PIN_NUMBER "1" at 9694.75,11098 h25 r180; PAD_STACK_NAME "C0603a" at 9557.5,11003 h50 r180; PAD_STACK_NAME "38.5x35x26" at 9572.5,11228 h25 r180; ASSEMBLY_TOP "10UF" at 9630.5,11109 h25 r180; ASSEMBLY_TOP "20" at 9722.5,11098 h25 r270; ASSEMBLY_TOP "UPN" at 9518.5,11099 h25 r270
DS21: PIN_NUMBER "C" at 9256,11613 h25 r180; PIN_NUMBER "A" at 9319,11613 h25 r180; ASSEMBLY_BOTTOM "LNJ308G8TRA (green)" at 9077.5,11613 h25 r90; ASSEMBLY_BOTTOM "N/A" at 9302.5,11613 h25 r90; ASSEMBLY_BOTTOM "UPN" at 9332.5,11613 h25 r90; PAD_STACK_NAME "LED0603" at 9157.5,11488 h50 r180; PAD_STACK_NAME "38X30" at 9197.5,11713 h50 r180; DISPLAY_BOTTOM "ADI/JJA" at 9060.7,11613 h31 r90; DISPLAY_BOTTOM "13OCT04" at 9385.7,11613 h31 r90; DISPLAY_BOTTOM "06OCT04" at 9110.7,11613 h31 r90; DISPLAY_BOTTOM "QA/LES" at 9348.1,11613 h31 r90
E301: PIN_NUMBER "2" at 9167.5,11311 h25 r90; PIN_NUMBER "1" at 9167.5,11235 h25 r90; PAD_STACK_NAME "L0805A" at 8932.5,11273 h50 r90; PAD_STACK_NAME "51X58X26" at 9222.5,11273 h25 r90; ASSEMBLY_TOP "39OHM" at 9127.5,11238 h25 r180; ASSEMBLY_TOP "N/A" at 9147.5,11303 h25 r180; ASSEMBLY_TOP "UPN" at 9147.5,11333 h25 r180
E302: PIN_NUMBER "2" at 9810,11209.25 h25 r270; PIN_NUMBER "1" at 9810,11251.75 h25 r270; PAD_STACK_NAME "L0402" at 9815,11235.5 h50 r270; PAD_STACK_NAME "27.5x25x15" at 9566,11230.5 h31 r270; ASSEMBLY_TOP "75OHM" at 9755.83,11226.17 h25 r270; ASSEMBLY_TOP "25" at 9746.06,11225.78 h25 r270; ASSEMBLY_TOP "UPN" at 9721.5,11229.71 h25 r270
E303: PIN_NUMBER "1" at 9413.75,11615.5 h25 r180; PIN_NUMBER "2" at 9371.25,11615.5 h25 r180; PAD_STACK_NAME "L0402" at 9307.5,11520.5 h50 r180; PAD_STACK_NAME "27.5x25x15" at 9278.5,11745.5 h31 r180; ASSEMBLY_TOP "75OHM" at 9348.17,11629.67 h25 r180; ASSEMBLY_TOP "25" at 9377.78,11669.44 h25 r180; ASSEMBLY_TOP "UPN" at 9371.71,11684 h25 r180
E312: PIN_NUMBER "2" at 9413.75,11615.5 h25 r180; PIN_NUMBER "1" at 9456.25,11615.5 h25 r180; PAD_STACK_NAME "L0402" at 9350,11520.5 h50 r180; PAD_STACK_NAME "27.5x25x15" at 9321,11745.5 h31 r180; ASSEMBLY_TOP "75OHM" at 9390.67,11629.67 h25 r180; ASSEMBLY_TOP "25" at 9420.28,11669.44 h25 r180; ASSEMBLY_TOP "UPN" at 9414.21,11684 h25 r180
J101: PIN_NUMBER "4" at 8175,11603 h25 r90; PIN_NUMBER "5" at 8175,11603 h25 r90; PIN_NUMBER "3" at 7845,11603 h25 r90; PIN_NUMBER "2" at 7845,11603 h25 r90; PIN_NUMBER "1" at 8010,11678 h25 r90; PAD_STACK_NAME "200X60BOT" at 8340,11773 h50 r90; PAD_STACK_NAME "100X30TOP" at 8265,11773 h50 r90; PAD_STACK_NAME "200X60TOP" at 8190,11773 h50 r90; PAD_STACK_NAME "CNJOHNSON142-0701-851" at 7355,11723 h50 r90; DISPLAY_TOP "05MAR99" at 7930.4,12173 h32 r180; DISPLAY_TOP "QA/BTC" at 7943.2,12123 h32 r180; DISPLAY_TOP "4MAR99" at 7948.2,11378 h32 r180; DISPLAY_TOP "CEXI/GSR" at 7917.6,11328 h32 r180; ASSEMBLY_TOP "UPN" at 7990,11623 h25 r180; ASSEMBLY_TOP "JOHNSON142-0701-851" at 7830,11473 h25 r180
J102: PIN_NUMBER "2" at 8175,9138 h25 r270; PIN_NUMBER "3" at 8175,9138 h25 r270; PIN_NUMBER "5" at 7845,9138 h25 r270; PIN_NUMBER "4" at 7845,9138 h25 r270; PIN_NUMBER "1" at 8010,9063 h25 r270; PAD_STACK_NAME "200X60BOT" at 7340,8968 h50 r270; PAD_STACK_NAME "100X30TOP" at 7415,8968 h50 r270; PAD_STACK_NAME "200X60TOP" at 7490,8968 h50 r270; PAD_STACK_NAME "CNJOHNSON142-0701-851" at 7845,9018 h50 r270; DISPLAY_TOP "05MAR99" at 7930.4,8568 h32; DISPLAY_TOP "QA/BTC" at 7943.2,8618 h32; DISPLAY_TOP "4MAR99" at 7938.2,9363 h32; DISPLAY_TOP "CEXI/GSR" at 7917.6,9413 h32; ASSEMBLY_TOP "UPN" at 7990,9118 h25; ASSEMBLY_TOP "JOHNSON142-0701-851" at 7830,9268 h25
J105: PIN_NUMBER "2" at 8580,11630.5 h25; PIN_NUMBER "5" at 8580,11430.5 h25; PIN_NUMBER "4" at 8380,11430.5 h25; PIN_NUMBER "3" at 8380,11630.5 h25; PIN_NUMBER "1" at 8480,11530.5 h25; ASSEMBLY_BOTTOM "142-0701-201" at 8249,11530.5 h25 r270; ASSEMBLY_BOTTOM "UPN" at 8560,11531.5 h25 r270; PAD_STACK_NAME "CNJOHNSON142-0701-201" at 8070,11795.5 h50; PAD_STACK_NAME "C110D63" at 8350,11245.5 h50; DISPLAY_BOTTOM "ADI/DML" at 8643.2,11530.5 h31 r270; DISPLAY_BOTTOM "09DEC98" at 8588.2,11530.5 h31 r270; DISPLAY_BOTTOM "QA/XXX" at 8205.6,11530.5 h31 r270; DISPLAY_BOTTOM "18DXX08" at 8138.2,11530.5 h31 r270
J110: PIN_NUMBER "3" at 7362.5,10986.03 h25; PIN_NUMBER "2" at 7362.5,10986.03 h25; PIN_NUMBER "4" at 7362.5,10656.03 h25; PIN_NUMBER "5" at 7362.5,10656.03 h25; PIN_NUMBER "1" at 7287.5,10821.03 h25; ASSEMBLY_BOTTOM "UPN" at 7342.5,10821.03 h25 r270; ASSEMBLY_BOTTOM "JOHNSON142-0701-851" at 7332.5,10821.03 h25 r270; PAD_STACK_NAME "200X60BOT" at 7022.5,10321.03 h50; PAD_STACK_NAME "100X30TOP" at 7022.5,10396.03 h50; PAD_STACK_NAME "200X60TOP" at 7022.5,10471.03 h50; PAD_STACK_NAME "CNJOHNSON142-0701-851" at 6852.5,11066.03 h50; DISPLAY_BOTTOM "05MAR99" at 6712.9,10821.03 h32 r270; DISPLAY_BOTTOM "QA/BTC" at 6775.7,10821.03 h32 r270; DISPLAY_BOTTOM "4MAR99" at 7520.7,10816.03 h32 r270; DISPLAY_BOTTOM "CEXI/GSR" at 7545.1,10821.03 h32 r270
J111: PIN_NUMBER "5" at 7362.5,9787.47 h25; PIN_NUMBER "4" at 7362.5,9787.47 h25; PIN_NUMBER "2" at 7362.5,10117.47 h25; PIN_NUMBER "3" at 7362.5,10117.47 h25; PIN_NUMBER "1" at 7287.5,9952.47 h25; ASSEMBLY_BOTTOM "UPN" at 7342.5,9952.47 h25 r270; ASSEMBLY_BOTTOM "JOHNSON142-0701-851" at 7332.5,9952.47 h25 r270; PAD_STACK_NAME "200X60BOT" at 7022.5,9452.47 h50; PAD_STACK_NAME "100X30TOP" at 7022.5,9527.47 h50; PAD_STACK_NAME "200X60TOP" at 7022.5,9602.47 h50; PAD_STACK_NAME "CNJOHNSON142-0701-851" at 6852.5,10197.47 h50; DISPLAY_BOTTOM "05MAR99" at 6712.9,9952.47 h32 r270; DISPLAY_BOTTOM "QA/BTC" at 6775.7,9952.47 h32 r270; DISPLAY_BOTTOM "4MAR99" at 7520.7,9947.47 h32 r270; DISPLAY_BOTTOM "CEXI/GSR" at 7545.1,9952.47 h32 r270
J112: PIN_NUMBER "5" at 7362.5,11343 h25; PIN_NUMBER "4" at 7362.5,11343 h25; PIN_NUMBER "2" at 7362.5,11673 h25; PIN_NUMBER "3" at 7362.5,11673 h25; PIN_NUMBER "1" at 7287.5,11508 h25; ASSEMBLY_BOTTOM "UPN" at 7342.5,11508 h25 r270; ASSEMBLY_BOTTOM "JOHNSON142-0701-851" at 7332.5,11508 h25 r270; PAD_STACK_NAME "200X60BOT" at 7022.5,11008 h50; PAD_STACK_NAME "100X30TOP" at 7022.5,11083 h50; PAD_STACK_NAME "200X60TOP" at 7022.5,11158 h50; PAD_STACK_NAME "CNJOHNSON142-0701-851" at 6852.5,11753 h50; DISPLAY_BOTTOM "05MAR99" at 6712.9,11508 h32 r270; DISPLAY_BOTTOM "QA/BTC" at 6775.7,11508 h32 r270; DISPLAY_BOTTOM "4MAR99" at 7520.7,11503 h32 r270; DISPLAY_BOTTOM "CEXI/GSR" at 7545.1,11508 h32 r270
J113: PIN_NUMBER "2" at 7362.5,9395.5 h25; PIN_NUMBER "3" at 7362.5,9395.5 h25; PIN_NUMBER "4" at 7362.5,9065.5 h25; PIN_NUMBER "5" at 7362.5,9065.5 h25; PIN_NUMBER "1" at 7287.5,9230.5 h25; ASSEMBLY_BOTTOM "UPN" at 7342.5,9230.5 h25 r270; ASSEMBLY_BOTTOM "JOHNSON142-0701-851" at 7332.5,9230.5 h25 r270; PAD_STACK_NAME "200X60BOT" at 7022.5,8730.5 h50; PAD_STACK_NAME "100X30TOP" at 7022.5,8805.5 h50; PAD_STACK_NAME "200X60TOP" at 7022.5,8880.5 h50; PAD_STACK_NAME "CNJOHNSON142-0701-851" at 6852.5,9475.5 h50; DISPLAY_BOTTOM "05MAR99" at 6712.9,9230.5 h32 r270; DISPLAY_BOTTOM "QA/BTC" at 6775.7,9230.5 h32 r270; DISPLAY_BOTTOM "4MAR99" at 7520.7,9225.5 h32 r270; DISPLAY_BOTTOM "CEXI/GSR" at 7545.1,9230.5 h32 r270
L101: PIN_NUMBER "2" at 8176.6,10659 h25; PIN_NUMBER "1" at 8258.98,10659 h25; ASSEMBLY_BOTTOM "UPN" at 8147.79,10659 h25 r270; ASSEMBLY_BOTTOM "5" at 8197.79,10659 h25 r270; ASSEMBLY_BOTTOM "330nH" at 8222.79,10659 h25 r270; PAD_STACK_NAME "L0805-F" at 8097.79,10809 h50; PAD_STACK_NAME "43X59" at 8137.79,10509 h50; DISPLAY_BOTTOM "19JUN07" at 7925.99,10659 h31 r270; DISPLAY_BOTTOM "QA/LCL" at 7988.39,10659 h31 r270; DISPLAY_BOTTOM "16JUN07" at 8300.99,10659 h31 r270; DISPLAY_BOTTOM "ADI/AVB" at 8350.99,10659 h31 r270
L103: PIN_NUMBER "2" at 8100.98,10659.5 h25 r180; PIN_NUMBER "1" at 8018.6,10659.5 h25 r180; ASSEMBLY_BOTTOM "UPN" at 8109.79,10659.5 h25 r90; ASSEMBLY_BOTTOM "5" at 8099.79,10659.5 h25 r90; ASSEMBLY_BOTTOM "330nH" at 7994.79,10659.5 h25 r90; PAD_STACK_NAME "L0805-F" at 7939.79,10509.5 h50 r180; PAD_STACK_NAME "43X59" at 7979.79,10809.5 h50 r180; DISPLAY_BOTTOM "19JUN07" at 8217.99,10659.5 h31 r90; DISPLAY_BOTTOM "QA/LCL" at 8180.39,10659.5 h31 r90; DISPLAY_BOTTOM "16JUN07" at 7842.99,10659.5 h31 r90; DISPLAY_BOTTOM "ADI/AVB" at 7792.99,10659.5 h31 r90
L105: PIN_NUMBER "2" at 8053.39,10094 h25 r180; PIN_NUMBER "1" at 7971.01,10094 h25 r180; ASSEMBLY_BOTTOM "UPN" at 8062.2,10094 h25 r90; ASSEMBLY_BOTTOM "5" at 8052.2,10094 h25 r90; ASSEMBLY_BOTTOM "330nH" at 7947.2,10094 h25 r90; PAD_STACK_NAME "L0805-F" at 7892.2,9944 h50 r180; PAD_STACK_NAME "43X59" at 7932.2,10244 h50 r180; DISPLAY_BOTTOM "19JUN07" at 8170.4,10094 h31 r90; DISPLAY_BOTTOM "QA/LCL" at 8132.8,10094 h31 r90; DISPLAY_BOTTOM "16JUN07" at 7795.4,10094 h31 r90; DISPLAY_BOTTOM "ADI/AVB" at 7745.4,10094 h31 r90
L107: PIN_NUMBER "2" at 8129.01,10094.5 h25; PIN_NUMBER "1" at 8211.39,10094.5 h25; ASSEMBLY_BOTTOM "UPN" at 8100.2,10094.5 h25 r270; ASSEMBLY_BOTTOM "5" at 8150.2,10094.5 h25 r270; ASSEMBLY_BOTTOM "330nH" at 8175.2,10094.5 h25 r270; PAD_STACK_NAME "L0805-F" at 8050.2,10244.5 h50; PAD_STACK_NAME "43X59" at 8090.2,9944.5 h50; DISPLAY_BOTTOM "19JUN07" at 7878.4,10094.5 h31 r270; DISPLAY_BOTTOM "QA/LCL" at 7940.8,10094.5 h31 r270; DISPLAY_BOTTOM "16JUN07" at 8253.4,10094.5 h31 r270; DISPLAY_BOTTOM "ADI/AVB" at 8303.4,10094.5 h31 r270
L301: PIN_NUMBER "1" at 9448,11166.33 h25 r180; PIN_NUMBER "2" at 9351,11166.33 h25 r180; PAD_STACK_NAME "LSMSQ157H83" at 9207.5,10994.67 h50 r180; PAD_STACK_NAME "58X145" at 9307.5,11334.67 h50 r180; DISPLAY_TOP "QA/KJBN" at 9190.36,11158 h31 r270; DISPLAY_TOP "03DEC10" at 9150.36,11158 h31 r270; DISPLAY_TOP "03DEC10" at 9470.37,11158 h31 r270; DISPLAY_TOP "ADI/RGS" at 9510.37,11158 h31 r270; ASSEMBLY_TOP "2.2uH" at 9377.5,11146.33 h25 r180; ASSEMBLY_TOP "20" at 9407.5,11186.34 h25 r180; ASSEMBLY_TOP "UPN" at 9397.5,11226.34 h25 r180
L302: PIN_NUMBER "1" at 9723.33,11170.91 h25 r90; PIN_NUMBER "2" at 9723.33,11271.09 h25 r90; PAD_STACK_NAME "L1210H67" at 9444.03,11213 h50 r90; PAD_STACK_NAME "79X49" at 9799.31,11213 h50 r90; DISPLAY_TOP "06JUN12" at 9648.2,11380.81 h31 r180; DISPLAY_TOP "QA/JSM" at 9660.6,11341.44 h31 r180; DISPLAY_TOP "06JUN12" at 9648.2,11115.07 h31 r180; DISPLAY_TOP "ADI/RGS" at 9648.2,11075.7 h31 r180; ASSEMBLY_TOP "0.47uH" at 9675,11201.65 h25 r180; ASSEMBLY_TOP "30" at 9715,11241.02 h25 r180; ASSEMBLY_TOP "UPN" at 9705,11280.39 h25 r180